# Allegro board IMX7D EVK BOARD REV D_160314.brd (continued)
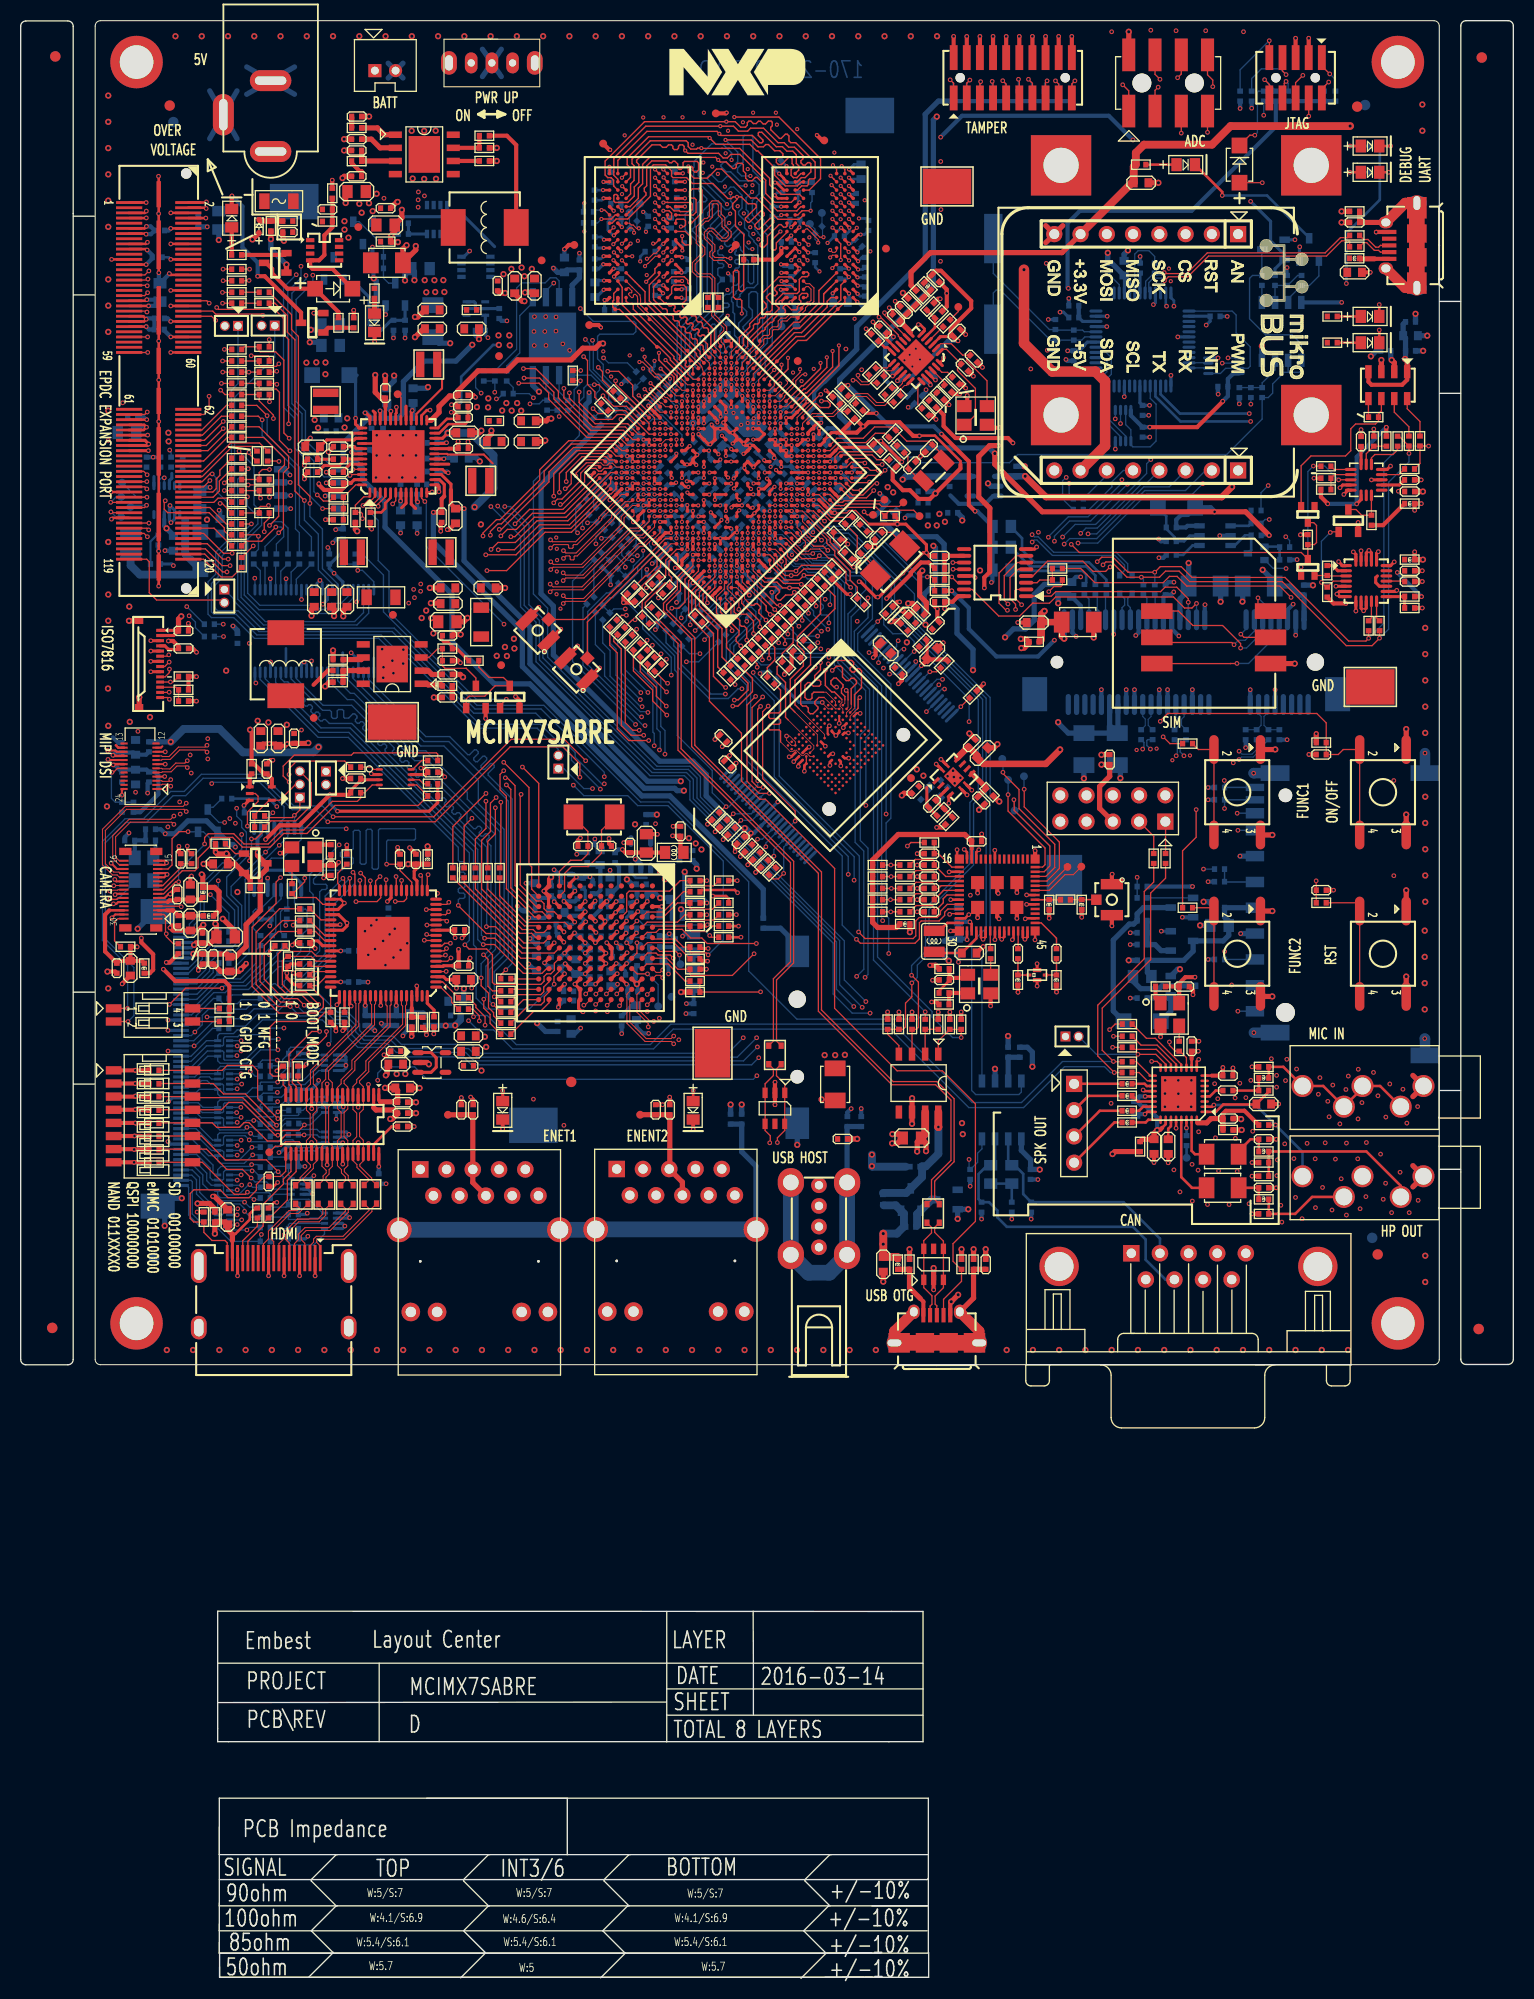
[diagram p0: board, top side]
## Routing (per net, layer and track width the routed paths; a pad name or vN(x,y) marks a point on that pad's centre or on a via; arc(x,y) is an arc through that point) (continued)
DRAM_DATA5: length 12
  TOP w0.102: 72.05,156.39 70.85,155.2 U7.AD19
  TOP w0.137: 72.05,156.39 74.84,159.18 75.53,159.18 78.01,161.66 78.01,162.22 78.36,162.57 U8.A3
DRAM_DATA6: length 12.4
  TOP w0.102: 71.38,154.55 U7.AD18
  TOP w0.104: 71.38,154.55 71.38,154.64 72.57,155.83
  TOP w0.137: 72.57,155.83 TP15.1 75.17,158.43 76,158.43 TP16.1 79.72,162.14 U8.A2
DRAM_DATA7: length 12.9
  TOP w0.137: U7.AE19 74.99,158.8 75.78,158.8 79.32,162.35 79.32,163.78 U8.C2
DRAM_DATA8: length 18
  TOP w0.137: U8.E3 78.85,165.77 v3(78.5,165.42) ; U7.AE14 75.15,153.66 75.53,154.04 75.68,154.04 77.36,155.71 v3(77.36,156.25)
  L3_INT_1 w0.137: v3(77.36,156.25) 77.03,156.58 77.03,157.25 77.15,157.37 77.39,157.37 77.51,157.49 77.51,157.66 77.39,157.78 77.15,157.78 77.03,157.9 77.03,158.17 77.27,158.41 77.44,158.41 77.6,158.24 77.77,158.24 77.89,158.37 77.89,158.54 77.73,158.7 77.73,158.87 77.85,158.99 78.02,158.99 78.18,158.83 78.35,158.83 78.48,158.95 78.48,159.12 78.31,159.28 78.31,159.45 78.58,159.71 78.58,162.3 78.98,162.7 78.98,163.37 78.5,163.85 v3(78.5,165.42)
DRAM_DATA9: length 18.1
  TOP w0.102: v3(72.88,155.57) 71.98,154.67 U7.AE18
  TOP w0.137: v3(75.31,167.76) 75.31,167.78 U8.H8
  L3_INT_1 w0.137: v3(72.88,155.57) 72.88,156.36 73.22,156.69 73.22,159.41 73.46,159.64 74.61,159.64 74.86,159.89 74.86,160.77 74.74,160.89 74.19,160.89 74.07,161.01 74.07,161.18 74.19,161.3 74.74,161.3 74.88,161.45 74.88,162.28 74.6,162.56 74.14,162.56 74,162.7 74,166.4 73.98,166.43 v3(75.31,167.76)
DRAM_DATA10: length 17.8
  TOP w0.137: v3(73.6,156.08) 73.59,156.07 73.59,155.61 72.44,154.47 U7.AE17 ; U8.F8 v3(74.53,166.18)
  L3_INT_1 w0.137: v3(73.6,156.08) 73.59,156.08 73.59,158.96 73.73,159.1 74.06,159.1 74.21,158.96 74.21,157.72 74.36,157.56 74.55,157.56 74.73,157.74 74.73,159.15 75.57,159.99 75.57,160.28 75.22,160.62 75.22,162.42 74.39,163.25 74.39,166.05 v3(74.53,166.18)
DRAM_DATA11: length 17.9
  TOP w0.102: v3(74.17,154.64) 74.17,154.26 72.97,153.07 U7.AD16
  TOP w0.137: v3(76.21,167.68) U8.H7
  L3_INT_1 w0.137: v3(74.17,154.64) 74.17,155.46 75.01,156.31 75.39,156.31 75.89,156.81 75.89,158.64 76.81,159.56 76.81,167.08 v3(76.21,167.68)
DRAM_DATA12: length 17.9
  TOP w0.137: v3(73.46,154.26) 73.46,154.09 U7.AE16 ; U8.F7 v3(76.11,166.18)
  L3_INT_1 w0.137: v3(76.11,166.18) 76.46,165.82 76.46,165.4 76.34,165.28 76.2,165.28 76.08,165.16 76.08,164.99 76.2,164.87 76.34,164.87 76.46,164.75 76.46,164.58 76.34,164.46 76.2,164.46 76.08,164.34 76.08,164.17 76.2,164.05 76.34,164.05 76.46,163.93 76.46,163.76 76.34,163.64 76.2,163.64 76.08,163.52 76.08,163.35 76.2,163.22 76.34,163.22 76.46,163.1 76.46,162.93 76.34,162.81 76.2,162.81 76.08,162.69 76.08,162.52 76.2,162.4 76.34,162.4 76.46,162.28 76.46,162.11 76.34,161.99 76.2,161.99 76.08,161.87 76.08,161.7 76.2,161.58 76.34,161.58 76.46,161.46 76.46,161.29 76.34,161.17 76.2,161.17 76.08,161.05 76.08,160.88 76.2,160.76 76.34,160.76 76.46,160.63 76.46,159.7 75.55,158.78 75.55,157.03 75.23,156.71 74.87,156.71 73.46,155.3 v3(73.46,154.26)
DRAM_DATA13: length 19.1
  TOP w0.104: U7.AD14 74.04,152.01 75.38,153.36
  TOP w0.137: v3(79.32,166.2) 79.32,167.76 U8.H3 ; 75.38,153.36 75.76,153.74 75.89,153.74 77.97,155.82 v3(77.97,156.79)
  L3_INT_1 w0.137: v3(79.32,166.2) 79.32,162.52 79.02,162.22 79.02,158.93 77.97,157.88 v3(77.97,156.79)
DRAM_DATA14: length 19.3
  TOP w0.104: U7.AD13 74.54,151.48 75.66,152.6
  TOP w0.137: v3(79.14,157.94) 79.14,155.98 76.74,153.59 76.14,152.99 76.05,152.99 75.66,152.6 ; U8.G2 79.72,167.36 v3(80.09,166.99)
  L3_INT_1 w0.137: v3(80.09,166.99) 80.53,166.55 80.53,162.57 80.15,162.19 80.15,158.95 v3(79.14,157.94)
DRAM_DATA15: length 18.2
  TOP w0.137: v3(80.12,166.16) 79.72,166.57 U8.F2 ; U7.AE13 75.91,153.35 76.03,153.35 78.53,155.85 v3(78.53,157.4)
  L3_INT_1 w0.137: v3(78.53,157.4) 78.53,157.96 79.69,159.12 79.69,159.97 79.57,160.09 79.49,160.09 79.36,160.21 79.36,160.38 79.49,160.5 79.57,160.5 79.69,160.62 79.69,160.79 79.57,160.91 79.49,160.91 79.36,161.03 79.36,161.2 79.49,161.32 79.57,161.32 79.69,161.44 79.69,161.61 79.57,161.73 79.49,161.73 79.36,161.85 79.36,162.02 79.49,162.14 79.57,162.14 79.69,162.26 79.69,165.21 79.69,165.73 v3(80.12,166.16)
DRAM_DATA16: length 11.8
  TOP w0.137: U7.AA25 65.36,156.98 65.36,157.16 64.35,158.17 60.39,162.12 60.39,163.14 59.45,164.08 58.9,164.63 U9.D7
DRAM_DATA17: length 13
  TOP w0.102: 64.54,155.16 65.03,154.67 U7.W24
  TOP w0.137: 64.54,155.16 64.54,155.32 63.18,156.68 63.18,156.87 58.26,161.8 58.18,161.87 58.18,163.55 U9.C8
DRAM_DATA18: length 12.3
  TOP w0.137: U9.B8 57.36,162.98 57.36,162.32 57.27,162.23 57.27,161.65 TP17.1 57.92,161.43 TP18.1 61.58,157.77 61.77,157.77 62.84,156.7 62.84,156.54 64.13,155.25 64.13,155.03 U7.V25
DRAM_DATA19: length 11.1
  TOP w0.137: U7.W25 65.02,155.2 U7.W25 ; U7.W25 65.02,155.78 64.83,155.97 64.66,155.97 64.58,155.88 64.41,155.88 64.29,156 64.29,156.17 64.37,156.26 64.37,156.43 64.25,156.55 64.08,156.55 64,156.46 63.83,156.46 63.7,156.58 63.7,156.75 63.77,156.82 63.77,156.94 59.25,161.45 59.25,161.87 59.12,162.01 58.76,162.01 58.56,162.22 U9.A7
DRAM_DATA20: length 11.1
  TOP w0.137: U7.AC25 66.75,157.71 66.75,158.98 66.52,159.21 66.52,159.5 66.37,159.64 66.09,159.64 65.94,159.79 65.94,160.08 65.79,160.23 65.5,160.23 65.36,160.37 65.36,160.66 65.21,160.81 64.92,160.81 64.78,160.96 64.78,161.24 64.63,161.39 64.34,161.39 64.01,161.72 64.01,161.99 64.38,162.36 64.38,163.54 64.14,163.77 63.79,163.77 63.79,163.78 63.15,163.78 62.96,163.58 62.96,162.97 U9.A2
DRAM_DATA21: length 11
  TOP w0.137: U7.AB25 66.09,157.31 66.09,157.5 66.03,157.56 66.03,157.85 65.88,158 65.59,158 65.45,158.14 65.45,158.44 65.3,158.58 65.01,158.58 64.86,158.73 64.86,159.02 64.72,159.16 64.43,159.16 64.28,159.31 64.28,159.6 64.14,159.74 63.84,159.74 63.7,159.89 63.7,160.18 63.55,160.33 63.26,160.33 63.12,160.47 63.12,160.76 62.97,160.91 62.68,160.91 62.54,161.05 62.54,161.35 62.39,161.49 62.1,161.49 61.22,162.37 61.22,163.63 U9.C3
DRAM_DATA22: length 11.5
  TOP w0.102: 66.43,157.5 67.14,156.79 U7.AB24
  TOP w0.137: 66.43,157.5 66.43,158.06 66.1,158.39 66.1,158.56 66.2,158.66 66.2,158.83 66.08,158.95 65.91,158.95 65.81,158.85 65.64,158.85 65.52,158.97 65.52,159.14 65.62,159.24 65.62,159.41 65.5,159.53 65.33,159.53 65.23,159.44 65.06,159.44 64.94,159.56 64.94,159.73 65.03,159.83 65.03,160 64.91,160.12 64.74,160.12 64.64,160.02 64.47,160.02 64.35,160.14 64.35,160.31 64.45,160.41 64.45,160.58 64.33,160.7 64.16,160.7 64.06,160.6 63.89,160.6 63.77,160.72 63.77,160.89 63.87,160.99 63.87,161.16 63.75,161.28 63.58,161.28 63.48,161.18 63.31,161.18 63.19,161.3 63.19,161.47 63.29,161.57 63.29,161.74 63.17,161.86 63,161.86 62.9,161.76 62.73,161.76 62.42,162.07 62.25,162.07 U9.A3
DRAM_DATA23: length 11
  TOP w0.102: U7.AC24 67.67,157.28 67.11,157.85
  TOP w0.137: 67.11,157.85 67.11,159.43 64.79,161.75 64.79,163.72 64.52,163.99 64.52,164.25 64.18,164.59 62.97,164.59 U9.C2
DRAM_DATA24: length 18.2
  TOP w0.102: v3(61.7,154.08) 62.71,153.07 U7.R25
  TOP w0.137: v3(60.5,164.1) 61.34,164.95 61.34,165.36 U9.E3
  L3_INT_1 w0.137: v3(60.5,164.1) 60.14,163.74 60.14,163.48 60.26,163.36 60.3,163.36 60.43,163.24 60.43,163.07 60.3,162.95 60.26,162.95 60.14,162.83 60.14,162.66 60.26,162.54 60.3,162.54 60.43,162.42 60.43,162.25 60.3,162.13 60.26,162.13 60.14,162 60.14,161.83 60.26,161.71 60.3,161.71 60.43,161.59 60.43,161.42 60.3,161.3 60.26,161.3 60.14,161.18 60.14,160.48 59.96,160.3 59.96,160.14 60.14,159.96 60.14,159.22 60.01,159.1 60.01,158.82 60.14,158.7 60.14,158.16 60.31,157.99 60.57,157.99 60.7,157.86 60.7,157.59 60.58,157.47 60.58,157.25 60.78,157.05 60.78,156.57 60.44,156.23 60.44,156.08 60.72,155.8 60.85,155.8 60.98,155.93 61.18,155.93 61.3,155.81 61.3,155.62 60.88,155.2 60.88,155.02 61.04,154.87 61.22,154.87 61.53,155.18 61.73,155.18 61.84,155.07 61.84,154.85 61.46,154.47 61.46,154.33 v3(61.7,154.08)
DRAM_DATA25: length 19.8
  TOP w0.102: 59.96,152.93 60.23,152.66 60.71,152.66 61.36,152.02 61.36,151.95 61.83,151.48 U7.N24
  TOP w0.137: v3(59.78,153.11) 59.96,152.93 ; U9.H8 v3(57.33,167.74)
  L3_INT_1 w0.137: v3(59.78,153.11) 56.93,155.96 56.93,167.12 v3(57.33,167.74)
DRAM_DATA26: length 18.5
  TOP w0.102: U7.P25 62.37,152.54 U7.P25 ; U7.P25 62.05,152.87 61.78,152.87 v3(60.94,153.71)
  TOP w0.137: U9.H7 58.17,167.78 v3(58.15,167.78)
  L3_INT_1 w0.137: v3(58.15,167.78) 58.69,167.24 58.69,166.44 59.14,165.99 59.14,165.31 58.58,164.75 58.58,161.66 58.13,161.21 58.13,156.52 60.79,153.85 v3(60.94,153.71)
DRAM_DATA27: length 18.2
  TOP w0.102: v3(60.41,153.04) 60.47,152.98 60.87,152.98 U7.N25
  TOP w0.137: U9.F8 v3(57.38,166.95)
  L3_INT_1 w0.137: v3(57.38,166.95) 57.75,166.58 57.75,165.84 58.1,165.49 58.1,165.3 57.83,165.03 57.83,164.38 57.28,163.83 57.28,156.18 60.41,153.05 v3(60.41,153.04)
DRAM_DATA28: length 18.1
  TOP w0.137: v3(61.73,157.22) 61.73,156.53 62.83,155.43 63.03,155.43 63.49,154.97 63.49,154.61 U7.U25 ; v3(62.16,166.93) 62.16,166.97 U9.G2
  L3_INT_1 w0.137: v3(62.16,166.93) 62.05,166.82 61.86,166.82 61.44,167.24 61.26,167.24 61.09,167.07 61.09,166.92 61.69,166.32 61.69,165.35 61.39,165.05 61.39,164.61 61.31,164.54 61.31,161.29 60.82,160.8 60.82,160.53 60.94,160.41 61.15,160.41 61.27,160.29 61.27,160.12 61.15,160 60.94,160 60.82,159.88 60.82,159.71 60.94,159.59 61.15,159.59 61.27,159.47 61.27,159.3 61.15,159.18 60.94,159.18 60.82,159.06 60.82,158.7 61.46,158.06 61.46,157.5 v3(61.73,157.22)
DRAM_DATA29: length 18.2
  TOP w0.102: U7.R24 62.9,152.54 62.55,152.89 62.36,152.89 61.27,153.99 61.23,153.99 61.13,154.09
  TOP w0.137: 61.13,154.09 v3(60.92,154.3) ; U9.F7 v3(59.15,166.57)
  L3_INT_1 w0.137: v3(59.15,166.57) 59.32,166.57 59.49,166.4 59.49,165.2 58.99,164.69 58.99,161.59 58.47,161.07 58.47,156.75 58.78,156.44 58.95,156.44 58.96,156.44 59.13,156.44 59.25,156.32 59.25,156.15 59.24,156.15 59.24,155.98 60.11,155.11 60.39,155.11 60.54,154.96 60.54,154.68 v3(60.92,154.3)
DRAM_DATA30: length 19
  TOP w0.102: U7.U24 63.96,153.6 63.33,154.23
  TOP w0.137: 63.33,154.23 63.19,154.37 63.19,154.89 62.96,155.12 62.47,155.12 v3(61.9,155.7) ; v3(61.17,167.79) 61.38,167.79 U9.H3
  L3_INT_1 w0.137: v3(61.17,167.79) 61.1,167.79 60.85,168.05 60.65,168.05 60.21,167.61 60.21,167.41 61.23,166.39 61.23,165.45 61.05,165.27 61.05,164.69 60.93,164.57 60.93,161.39 60.48,160.94 60.48,158.56 61.12,157.92 61.12,157.23 61.9,156.45 v3(61.9,155.7)
DRAM_DATA31: length 18.2
  TOP w0.102: 63.99,154.63 64.49,154.14 U7.V24
  TOP w0.137: v3(62.16,166.18) 62.18,166.2 62.19,166.2 U9.F2 ; v3(62.37,156.53) 63.8,155.09 63.8,154.82 63.99,154.63
  L3_INT_1 w0.137: v3(62.16,166.18) 62.14,166.16 62.14,165.24 61.7,164.8 61.7,164.31 61.84,164.17 62.39,164.17 62.59,163.96 62.59,162.82 62.29,162.52 61.84,162.52 61.7,162.38 61.7,162.2 62.1,161.79 62.1,161.6 61.35,160.84 61.35,160.7 61.49,160.55 61.9,160.55 61.99,160.47 61.99,160.18 61.85,160.04 61.68,160.04 61.54,159.9 61.54,159.7 61.68,159.57 61.83,159.57 61.97,159.43 61.97,159.07 61.83,158.93 61.57,158.93 61.38,158.73 61.38,158.62 61.8,158.2 61.8,157.74 61.96,157.57 62.17,157.57 62.3,157.45 62.3,157.19 62.08,156.97 62.08,156.82 v3(62.37,156.53)
DRAM_DQM0: length 13.7
  TOP w0.102: 70.8,156.2 70.32,155.73 U7.AD20
  TOP w0.137: U8.D3 78.26,164.32 77.21,163.26 77.21,162.05 75.35,160.19 74.78,160.19 72.2,157.6 70.8,156.2
DRAM_DQM1: length 18.9
  TOP w0.102: 72.91,154.07 72.44,153.6 U7.AD17
  TOP w0.137: U8.E7 v3(75.3,166.18) ; 72.91,154.07 72.91,154.35 73.69,155.13 74.22,155.66 v3(74.22,156.74)
  L3_INT_1 w0.137: v3(74.22,156.74) 74.62,157.14 74.91,157.14 75.16,157.39 75.16,159.01 76.02,159.86 76.02,160.39 75.69,160.71 75.69,163.05 75.57,163.17 75.03,163.17 74.91,163.29 74.91,163.46 75.03,163.58 75.57,163.58 75.69,163.7 75.69,163.87 75.57,163.99 75.03,163.99 74.91,164.11 74.91,164.28 75.03,164.4 75.57,164.4 75.69,164.53 75.69,164.79 75.51,164.96 75.01,164.96 74.83,165.14 74.83,165.71 v3(75.3,166.18)
DRAM_DQM2: length 12
  TOP w0.102: U7.AA24 66.61,156.24 65.71,157.13 65.71,157.34
  TOP w0.137: 65.71,157.34 60.8,162.26 60.8,163.8 61.76,164.75 U9.D3
DRAM_DQM3: length 18.2
  TOP w0.102: 60.55,153.51 60.78,153.29 60.97,153.29 61.89,152.37 62.02,152.37 62.37,152.01 U7.P24
  TOP w0.137: v3(60.35,153.71) 60.55,153.51 ; U9.E7 v3(58.15,166.17)
  L3_INT_1 w0.137: v3(60.35,153.71) 57.79,156.28 57.79,161.35 58.19,161.75 58.19,164.83 58.82,165.46 58.82,165.76 58.68,165.9 58.43,165.9 58.16,166.17 v3(58.15,166.17)
DRAM_ODT0: length 54.3
  TOP w0.102: U7.AC16 71.91,153.07 v3(71.91,153.07)
  TOP w0.137: U9.K1 63.36,170.05 63.47,170.15 64.14,170.15 64.3,169.99 64.3,169.6 64.17,169.47 64.14,169.44 v3(63.86,169.44) ; U8.K1 v3(80.12,170.17)
  L3_INT_1 w0.137: v3(71.91,153.07) 71.91,153.25 71.91,154.78 71.21,155.48 71.21,161.37 70.85,161.73 70.85,164.25 70.99,164.39 71.17,164.39 71.29,164.26 71.29,162.11 71.47,161.93 71.68,161.93 71.81,162.07 71.81,164.76 71.68,164.89 70.69,164.89 70.33,165.25 70.33,166.68 70.46,166.82 70.66,166.82 70.73,166.74 70.73,165.51 70.93,165.32 71.75,165.32 71.88,165.46 71.88,165.71 71.75,165.84 71.33,165.84 71.2,165.98 71.2,166.17 71.32,166.29 71.85,166.29 71.99,166.44 71.99,166.62 71.85,166.76 71.35,166.76 71.2,166.91 71.2,167.11 71.34,167.25 71.93,167.25 72.06,167.38 72.06,167.59 71.93,167.73 71,167.73 70.87,167.87 70.87,168.19 70.73,168.32 70.51,168.32 70.36,168.48 70.36,168.72 70.49,168.86 70.74,168.86 v3(70.87,168.73)
  L6_INT_2 w0.137: v3(80.12,170.17) 79.83,169.89 79.69,169.74 77.37,169.74 76.89,170.22 76.03,170.22 75.56,170.7 74.31,170.7 73.76,170.15 72.29,170.15 v3(70.87,168.73) 70.01,168.73 69.93,168.82 67.9,168.82 67.82,168.74 67.18,168.74 66.96,168.52 66.75,168.52 66.53,168.74 66.39,168.74 66.06,168.41 65.85,168.41 65.76,168.5 65.76,168.65 65.67,168.74 65.59,168.74 65.58,168.74 65.42,168.74 65.33,168.64 65.33,168.33 65.19,168.2 65.05,168.2 64.88,168.37 64.88,168.86 64.63,169.11 64.36,169.11 64.04,169.44 v3(63.86,169.44)
DRAM_ODT1: length 56.2
  TOP w0.102: U7.AA14 v3(71.91,150.95)
  TOP w0.137: U9.J1 64.29,168.97 64.87,168.39 64.87,167.79 64.75,167.67 64.27,167.67 63.98,167.97 v3(63.98,168.52) ; U8.J1 v3(80.87,169.32)
  L6_INT_2 w0.137: v3(63.98,168.52) 63.62,168.52 63.48,168.38 63.48,168.12 63.62,167.98 64.2,167.98 64.74,167.44 65.49,167.44 65.49,167.45 65.62,167.45 65.8,167.63 66.38,167.63 66.47,167.71 67.33,167.71 67.56,167.94 68.13,167.94 68.22,168.03 69.43,168.03 70.2,167.26 v3(70.77,167.26) 71.89,167.26 72.54,167.92 72.54,168.39 72.98,168.83 72.98,169.1 73.28,169.4 73.91,169.4 74.56,170.06 75.2,170.06 75.76,169.49 76.78,169.49 77.36,168.9 80.49,168.9 80.59,169 80.59,169.04 v3(80.87,169.32)
  BOTTOM w0.102: v3(71.91,150.95) 71.91,151.44 68.83,154.54 68.83,154.78 69.75,155.7
  BOTTOM w0.137: 69.75,155.7 69.75,156.33 70.05,156.63 70.05,157.12 69.2,157.97 69.2,158.22 69.35,158.37 69.35,158.62 69.05,158.92 69.05,161 68.9,161.14 68.9,162.07 68.76,162.21 68.76,162.55 69.18,162.97 69.18,163.14 69.9,163.87 69.9,166.06 70.09,166.24 70.26,166.24 70.37,166.12 70.37,164.11 70.57,163.92 70.76,163.92 70.9,164.06 70.9,166.49 70.65,166.74 70.09,166.74 69.62,167.21 69.62,167.46 68.96,168.12 68.96,168.24 69.59,168.87 69.83,168.87 69.96,168.74 69.96,167.71 70.41,167.26 v3(70.77,167.26)
DRAM_RAS_B: length 55
  TOP w0.102: U7.AB15 v3(71.91,152.01)
  TOP w0.137: v3(78.52,169.34) 78.55,169.34 U8.J3 ; U9.J3 v3(61.36,169.37)
  L3_INT_1 w0.102: 72.33,152.96 71.91,152.54 v3(71.91,152.01)
  L3_INT_1 w0.137: v3(71.35,168.21) 71.44,168.12 72,168.12 72.14,168.26 72.14,168.41 72.57,168.84 72.57,169.35 72.35,169.56 72.11,169.56 71.87,169.32 71.87,168.9 71.67,168.7 71.56,168.7 71.12,169.14 71.12,169.38 72.1,170.36 72.1,171.99 72.21,172.09 72.66,172.09 73,171.75 73,171.38 72.88,171.26 72.63,171.26 72.51,171.14 72.51,170.97 72.63,170.84 72.88,170.84 73,170.72 73,170.55 72.88,170.43 72.63,170.43 72.51,170.31 72.51,170.14 72.63,170.02 72.88,170.02 73,169.9 73,168.5 72.58,168.09 72.58,165.53 72.3,165.25 72.3,162 71.61,161.32 71.61,155.68 72.33,154.96 72.33,152.96
  L6_INT_2 w0.137: v3(61.36,169.37) 61.79,168.93 62.35,168.93 62.38,168.97 64.11,168.97 64.47,168.61 64.47,168.18 64.81,167.84 65.45,167.84 65.64,168.02 66.22,168.02 66.3,168.1 67.16,168.1 67.39,168.33 67.97,168.33 68.06,168.42 69.59,168.42 69.69,168.33 70.58,168.33 70.69,168.21 v3(71.35,168.21) 71.35,168.16 71.69,167.81 71.89,167.81 72.15,168.08 72.15,168.29 71.64,168.8 71.64,168.95 71.8,169.11 71.97,169.11 72.28,168.81 72.46,168.81 72.6,168.95 72.6,169.13 72.3,169.43 72.3,169.61 72.45,169.76 73.87,169.76 74.51,170.4 75.4,170.4 75.91,169.89 76.81,169.89 77.36,169.34 v3(78.52,169.34)
DRAM_RESET: length 58.2
  TOP w0.137: U8.T2 79.72,174.99 v3(79.41,175.29) ; U9.T2 v3(62.16,174.97) ; U7.AC22 v3(68.73,156.26)
  L3_INT_1 w0.137: v3(68.18,176.53) 68.18,177.3 68.28,177.4 68.58,177.4 68.78,177.2 68.78,176.5 68.33,176.06 68.33,175.71 68.79,175.25 68.79,175.09 68.65,174.95 68.43,174.95 68.29,174.81 68.29,174.6 68.44,174.45 68.68,174.45 68.79,174.34 68.79,173.95 68.62,173.78 67.95,173.78 67.7,173.53 67.7,172.53 67.86,172.36 67.86,171.24 67.7,171.07 67.7,168.61 68.54,167.77 68.54,167.57 68.23,167.25 68.23,166.9 68.31,166.82 68.31,166.62 68.23,166.54 68.23,166.19 68.3,166.12 68.3,165.93 68.17,165.8 68.17,165.33 68,165.15 68,165 67.99,164.99 67.99,163.95 68.12,163.81 68.39,163.81 68.53,163.95 68.53,164.42 68.64,164.53 68.82,164.53 69.28,164.07 69.28,163.78 69.12,163.62 68.99,163.62 68.83,163.46 68.83,163.2 69,163.02 69.14,163.02 69.28,162.88 69.28,162.62 68.38,161.71 v3(68.38,160.82) 68.38,158.64 68.24,158.5 68.24,158.05 68.73,157.56 v3(68.73,156.26)
  L6_INT_2 w0.137: v3(62.16,174.97) 61.76,174.57 60.87,174.57 60.61,174.31 60.42,174.31 59.73,175 59.73,175.19 62.82,178.27 65.77,178.27 66.65,177.39 67.32,177.39 v3(68.18,176.53) 70,178.34 76.36,178.34 v3(79.41,175.29)
  BOTTOM w0.137: v3(68.38,160.82) 68.39,160.81 R87.1
DRAM_SDBA0: length 56.4
  TOP w0.102: U7.R22 v3(64.49,152.01)
  TOP w0.137: U8.M2 v3(79.32,171.77) ; v3(62.17,171.77) 62.17,171.74 62.22,171.79 62.57,171.79 62.58,171.77 64.81,171.77 64.95,171.63 64.95,171.07 64.77,170.89 63.79,170.89 63.72,170.96 63.19,170.96 62.78,171.37 U9.M2
  L6_INT_2 w0.137: v3(79.32,171.77) 78.91,172.17 77.76,172.17 76.04,173.89 73.52,173.89 73.3,174.11 72.69,174.11 70.84,172.26 69.95,172.26 69.43,172.77 68.76,172.77 v3(68.66,172.67) 68.66,172.39 68.52,172.26 68.25,172.26 67.93,171.94 64.64,171.94 64.46,171.77 62.57,171.77 62.57,171.77 v3(62.17,171.77)
  BOTTOM w0.102: 63.98,153.04 64.49,152.53 v3(64.49,152.01)
  BOTTOM w0.137: v3(68.66,172.67) 68.66,171.91 68.82,171.75 68.82,171.45 68.45,171.09 68.17,171.09 65.93,173.33 65.74,173.33 65.6,173.19 65.6,172.9 66.35,172.15 66.35,171.98 66.22,171.84 66.01,171.84 65.89,171.96 65.7,171.96 65.49,171.75 65.49,170.42 65.6,170.32 65.6,169.06 66.41,168.25 66.41,161.53 64.28,159.4 64.28,153.51 63.98,153.21 63.98,153.04
DRAM_SDBA1: length 58.1
  TOP w0.102: U7.P22 v3(63.96,151.48)
  TOP w0.137: U8.N8 74.54,171.79 72.92,171.79 72.06,172.65 72.06,173.92 69.56,176.42 68.69,176.42 68.34,176.08 67.95,176.08 67.5,176.53 64.54,176.53 v3(64.27,176.8) 64.17,176.9 64.17,177.2 64.03,177.35 63.76,177.35 63.63,177.21 63.63,177.03 63.49,176.89 63.21,176.89 63.08,177.03 63.08,177.21 62.94,177.35 62.67,177.35 62.42,177.11 62.08,177.11 61.84,177.35 61.06,177.35 59.57,175.86 59.57,175.66 59.78,175.45 59.78,173.71 59.35,173.27 59.35,172.4 58.71,171.77 57.51,171.77 57.37,171.91 57.37,172.45 57.46,172.54 57.64,172.54 57.76,172.42 U9.N8
  L3_INT_1 w0.102: 62.5,153.48 63.96,152.02 v3(63.96,151.48)
  L3_INT_1 w0.137: v3(64.27,176.8) 62.52,176.8 60.8,175.08 60.8,169.4 60.95,169.26 60.95,168.72 61.63,168.04 61.63,167.6 61.88,167.35 62.3,167.35 62.57,167.08 62.57,165.88 63.01,165.43 63.01,162.49 62.83,162.31 62.83,155.88 62.31,155.36 62.31,154.54 62.5,154.35 62.5,153.48
DRAM_SDBA2: length 55.6
  TOP w0.102: U7.N23 v3(62.9,151.48)
  TOP w0.137: U9.M3 v3(61.36,171.77) ; U8.M3 v3(78.52,171.77)
  L6_INT_2 w0.137: v3(61.36,171.77) 60.93,172.2 60.93,172.87 60.78,173.01 60.54,173.01 60.41,172.87 60.41,171.79 60.62,171.58 60.83,171.37 63.6,171.37 64.02,170.95 64.43,170.94 65.04,171.55 68.09,171.55 68.15,171.61 v3(68.32,171.61) 68.57,171.86 71.06,171.86 72.43,173.23 76.27,173.23 77.73,171.77 v3(78.52,171.77)
  BOTTOM w0.102: 63.26,152.73 63.89,152.1 63.89,151.95 63.42,151.48 v3(62.9,151.48)
  BOTTOM w0.137: v3(68.32,171.61) 65.55,174.37 65.55,174.75 65.46,174.85 65.24,174.85 65.1,174.7 65.1,170.93 64.83,170.66 64.83,170.44 65.22,170.05 65.22,169.44 64.99,169.21 64.99,169.01 65.94,168.07 65.94,161.79 63.89,159.73 63.89,153.88 63.26,153.25 63.26,152.73
DRAM_SDCKE0: length 62.4
  TOP w0.102: v3(70.85,153.07) 70.85,152.54 U7.AB17
  TOP w0.137: v3(69.75,161.03) 69.75,162.27 69.6,162.41 69.15,162.41 68.93,162.63 68.93,165.05 69.09,165.21 69.32,165.21 69.46,165.07 69.46,163.35 69.62,163.18 69.8,163.18 69.93,163.31 R89.1 69.93,168.54 69.94,168.55 69.94,168.67 69.13,169.48 69.13,170.93 68.87,171.19 68.87,171.65 69.28,172.06 v3(69.28,172.31) ; v3(69.28,172.31) 69.7,172.31 70.36,171.65 71.01,171.65 71.14,171.51 71.14,171.3 70.09,170.25 70.09,170.09 70.34,169.85 70.48,169.85 71.56,170.93 71.73,170.93 71.91,170.74 71.91,170.52 71.02,169.63 71.02,169.45 71.27,169.2 71.45,169.2 72.48,170.23 72.66,170.23 72.85,170.04 72.85,169.84 71.79,168.79 71.79,168.05 71.52,167.78 71.52,167.57 71.66,167.43 71.87,167.43 72.23,167.78 72.23,168.5 73.36,169.63 73.54,169.63 73.79,169.38 74,169.38 74.12,169.49 U8.K9 ; v3(69.28,172.31) 68.9,172.31 68.74,172.15 68.4,172.15 66.94,173.61 64.98,173.61 64.41,174.18 63.85,174.18 63.09,174.18 62.95,174.31 62.95,174.84 62.38,175.41 61.2,175.41 61.11,175.32 60.91,175.12 60.91,172.37 58.72,170.18 57.6,170.18 57.19,169.77 U9.K9
  L3_INT_1 w0.102: 70.29,155.39 70.29,155.18 69.93,154.82 69.93,154.52 69.94,154.5 69.95,154.5 70.17,154.28 70.17,154.28 70.72,153.72 70.72,153.21 v3(70.85,153.07)
  L3_INT_1 w0.137: v3(69.75,161.03) 70.29,160.49 70.29,155.39
DRAM_SDCKE1: length 56
  TOP w0.102: U7.AB22 v3(68.2,155.73)
  TOP w0.137: v3(73.48,168.97) 72.62,168.1 72.62,167.31 72.76,167.17 72.95,167.17 73.09,167.31 73.09,167.86 74.12,168.89 U8.J9 ; U9.J9 v3(57.35,169.36)
  L6_INT_2 w0.137: v3(57.35,169.36) 57.87,169.89 60.11,169.89 61.48,168.52 62.45,168.52 63.38,167.6 64.1,167.6 64.79,166.9 67.25,166.9 v3(67.77,167.42) 68.34,167.42 68.43,167.51 69.21,167.51 70.04,166.69 72.21,166.69 73.89,168.37 73.89,168.56 v3(73.48,168.97)
  BOTTOM w0.102: v3(68.2,155.73) 68.2,156.24 67.68,156.77
  BOTTOM w0.137: 67.68,156.77 67.52,156.77 67.25,157.03 67.25,159.86 67.11,160 66.92,160 66.78,159.86 66.78,156.68 66.57,156.47 66.34,156.47 66.26,156.55 66.26,158.79 66.09,158.97 65.9,158.97 65.72,158.79 65.72,155.82 65.59,155.68 65.39,155.68 65.22,155.86 65.22,158.98 67.43,161.19 67.43,163.88 R88.1 67.43,164.76 67.43,165.34 67.55,165.46 67.87,165.46 67.99,165.58 67.99,165.75 67.87,165.87 67.55,165.87 67.43,165.99 67.43,166.16 67.55,166.28 67.87,166.28 67.99,166.41 67.99,166.58 67.87,166.7 67.55,166.7 67.43,166.82 67.43,167.08 v3(67.77,167.42)
DRAM_SDCLK0_N: length 56.9
  TOP w0.104: U8.K7 75.98,169.5 76.21,169.5 77.3,168.41 v3(77.65,168.41) ; v3(68.65,166.37) 68.31,166.37 68.23,166.45 67.31,166.45 67.15,166.45 66.94,166.66 66.94,166.86 67.14,167.06 67.14,167.67 66.41,168.4 66.41,168.77 66.64,169.01 66.82,169.01 67.79,168.04 68.32,168.04 68.72,168.45 68.72,168.95 68.11,169.55 68.11,170.31 67.75,170.67 67.75,171.63 67.46,171.93 66.88,171.92 66.61,171.66 66.61,170.46 66.39,170.24 66.15,170.24 65.34,169.43 65.34,167.85 65.89,167.29 65.89,166.88 64.96,165.94 64.96,165.08 65.45,164.59 66.61,164.59 66.86,164.33 66.86,162.97 R618.2 ; v3(59.8,169.27) 59.56,169.27 59.24,169.59 59.07,169.59 58.89,169.77 U9.K7
  L6_INT_2 w0.117: v3(59.8,169.27) 59.8,168.96 60.48,168.28 60.48,167.75 61.38,166.85 61.38,165.92 61.51,165.78 65.26,165.78 66.13,164.92 66.6,164.92 67.89,166.21 68.5,166.21 v3(68.65,166.37) 68.96,166.06 69.88,166.06 70.29,165.65 72.14,165.65 73.37,166.88 73.96,166.88 74.11,167.03 74.11,167.58 75.4,168.87 75.63,168.87 75.92,169.16 76.53,169.16 77.27,168.41 v3(77.65,168.41)
  BOTTOM w0.104: TP23.1 77.51,170.75 R90.1 77.56,169.4 77.56,168.5 v3(77.65,168.41) ; v3(59.8,169.27) 59.6,169.46 59.6,171.37 TP24.1
DRAM_SDCLK0_P: length 55.8
  TOP w0.104: v3(59.33,168.84) 59.33,169.11 59.13,169.31 58.95,169.31 58.9,169.31 58.84,169.25 U9.J7 ; v3(77.14,167.89) 77.14,168.18 76.1,169.22 75.97,169.22 U8.J7 ; v3(68.6,165.63) 68.06,166.17 67.31,166.17 67.03,166.17 66.66,166.54 66.66,166.97 66.86,167.18 66.86,167.55 66.13,168.29 66.13,168.89 66.52,169.28 66.94,169.28 67.9,168.32 68.2,168.32 68.44,168.56 68.44,168.83 67.83,169.44 67.83,170.19 67.47,170.55 67.47,171.52 67.35,171.65 67,171.65 66.89,171.54 66.89,170.34 66.5,169.96 66.27,169.96 65.62,169.31 65.62,167.96 66.17,167.41 66.17,166.76 65.24,165.83 65.24,165.19 65.57,164.86 66.73,164.86 67.14,164.45 67.14,162.93 R617.2
  L6_INT_2 w0.117: v3(77.14,167.89) 76.99,167.75 76.82,167.75 76.65,167.92 76.65,168.09 76.81,168.25 76.81,168.48 76.41,168.88 76.03,168.88 75.74,168.59 75.51,168.59 74.39,167.46 74.39,166.92 74.07,166.6 73.48,166.6 72.26,165.37 70.17,165.37 69.77,165.78 68.75,165.78 v3(68.6,165.63) 68.29,165.93 68.01,165.93 66.72,164.64 66.01,164.64 65.15,165.5 61.39,165.5 61.1,165.8 61.1,166.73 60.2,167.63 60.2,168.16 59.52,168.84 59.33,168.84 v3(59.33,168.84)